# Altium PCB TIDA-010933-RevA.PcbDoc (part 7 of 9)
Units mm, origin at the board's own origin, x right, y up, seen from the top; angles counter-clockwise.
Board outline 230 x 230 mm, 4 copper layers (Top Layer, Layer 1, Layer 2, Bottom Layer), stack 1.637 mm thick; 776 components, 394 nets, 2295 pads, 2783 vias.
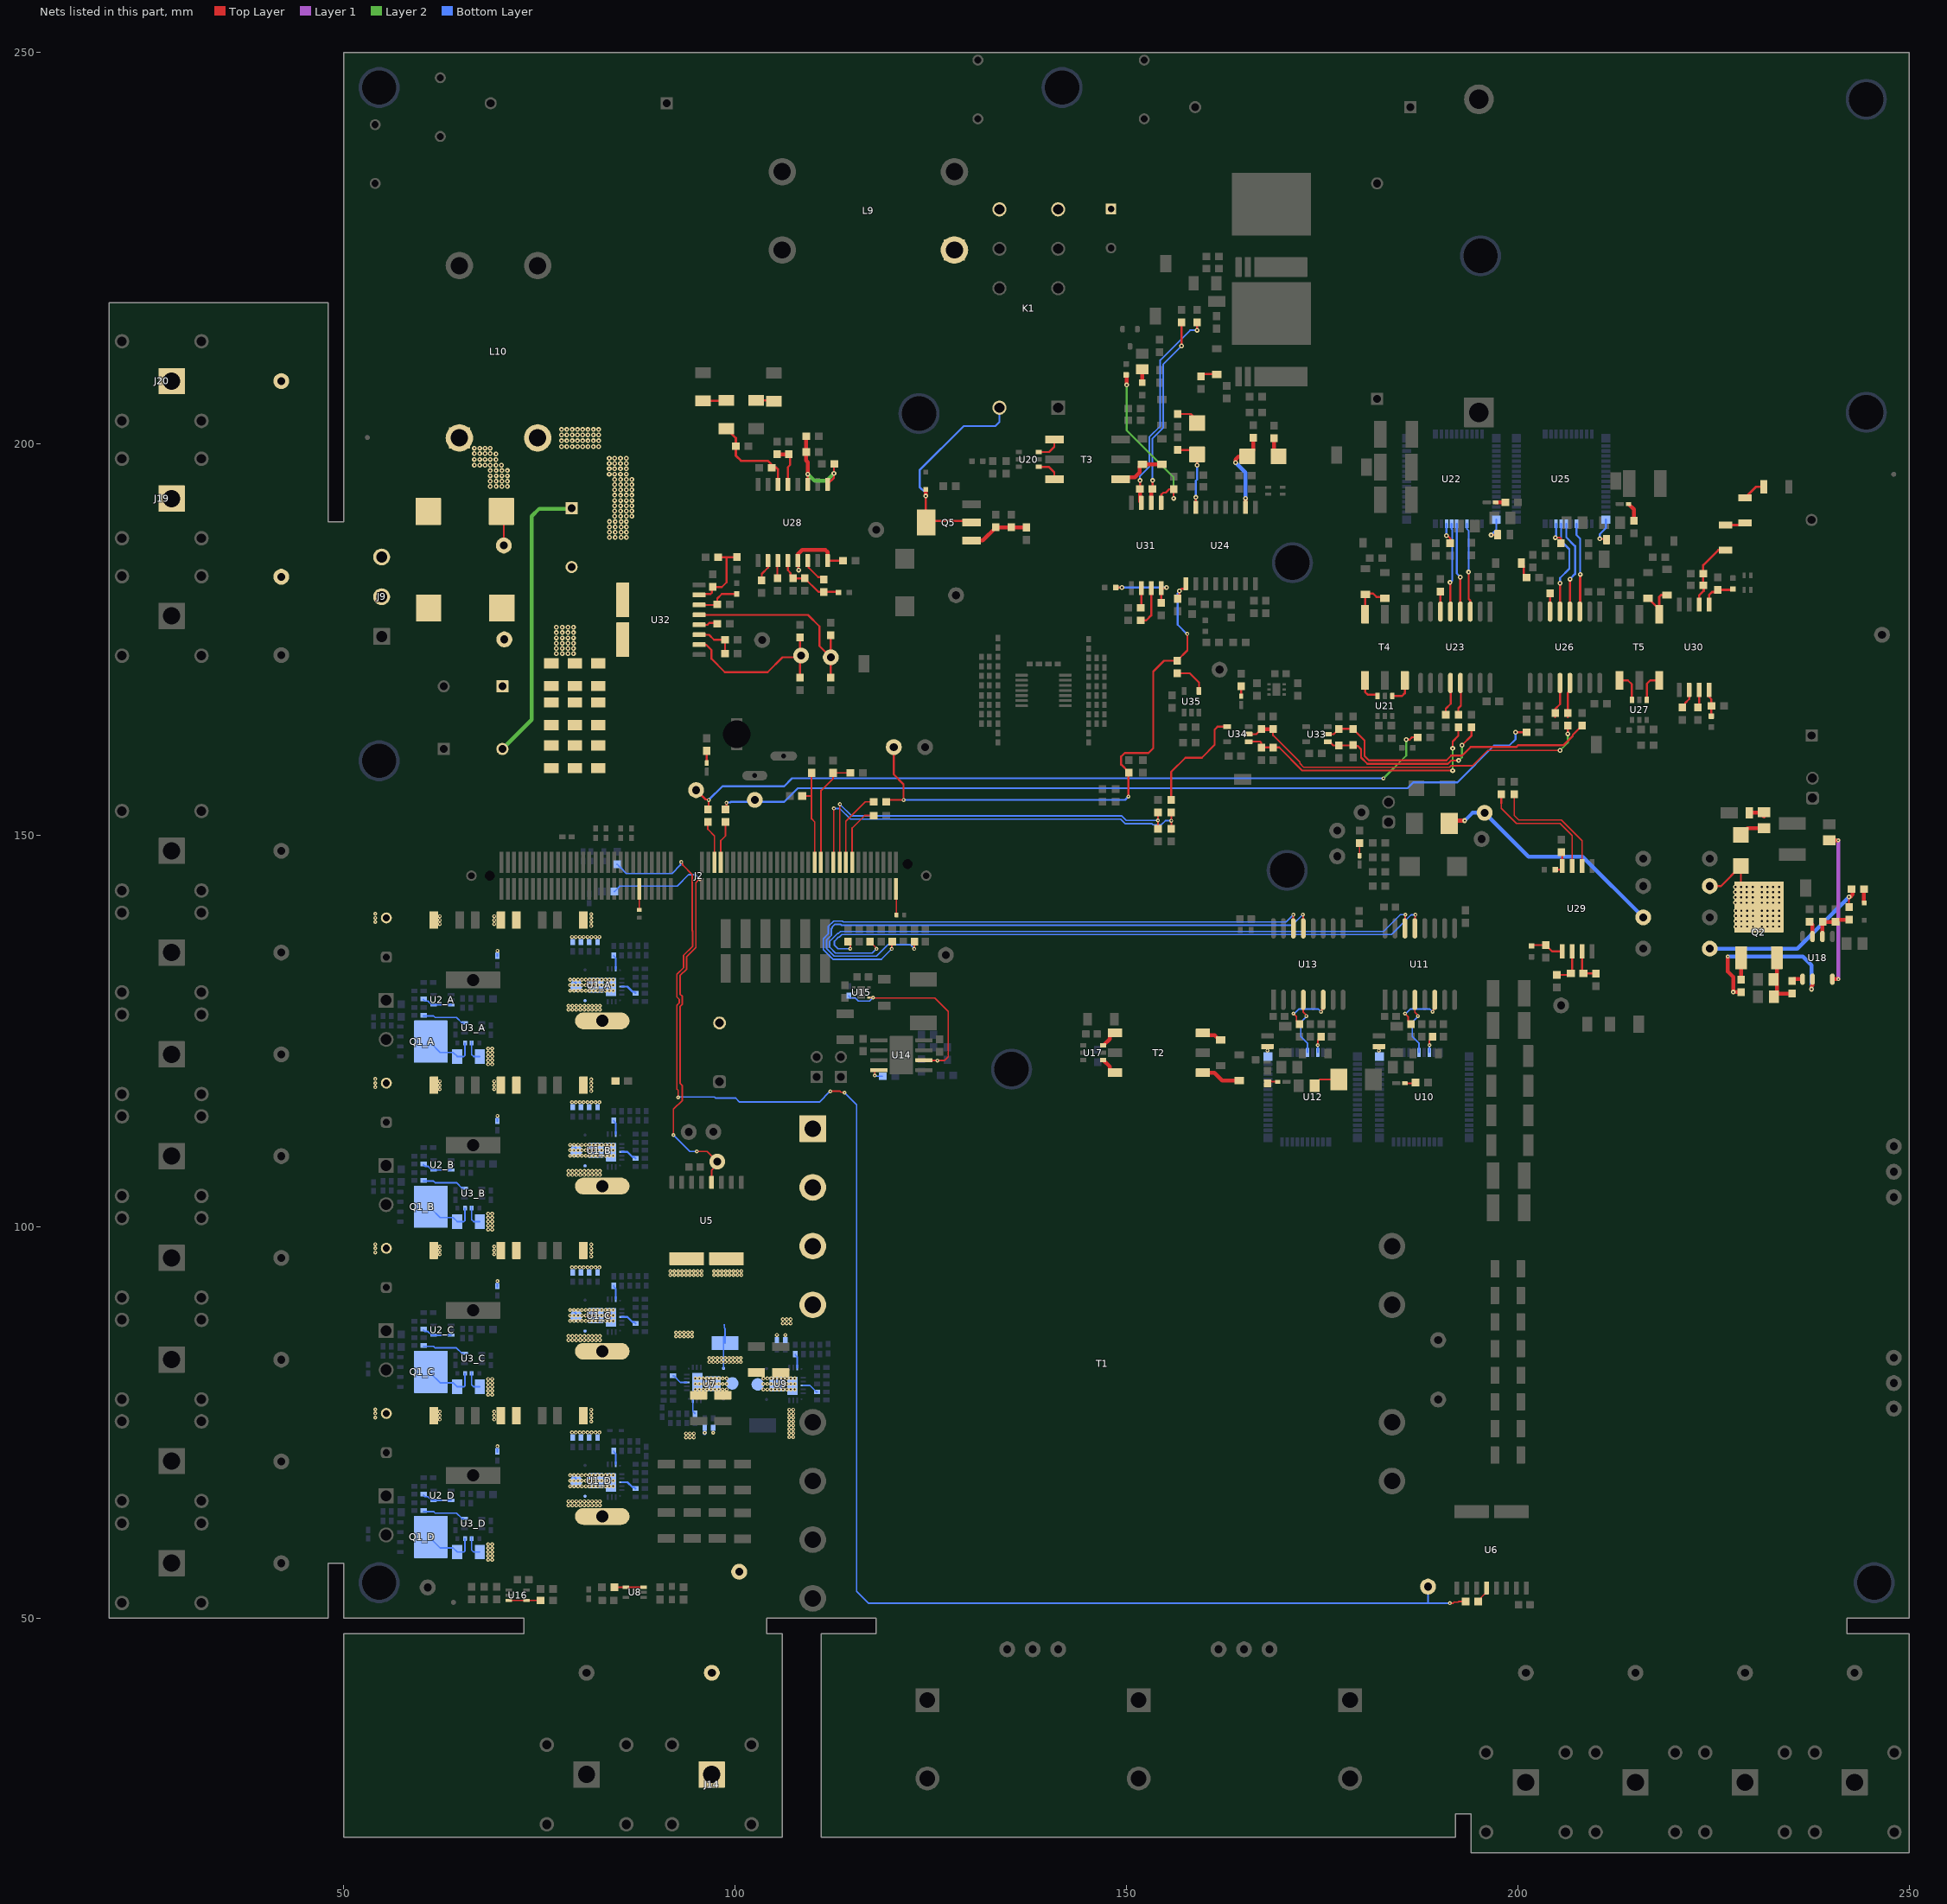
[diagram p9: the nets of this part, all layers, seen from the top]

## Via types
v1: diameter 0.5, hole 0.2, Top Layer to Bottom Layer, tented both sides, 1458 vias
v2: diameter 0.61, hole 0.254, Top Layer to Bottom Layer, tented both sides, 1311 vias
v3: diameter 0.63, hole 0.33, Top Layer to Bottom Layer, 6 vias
v4: diameter 0.5, hole 0.2, Top Layer to Bottom Layer, 4 vias
v5: diameter 0.61, hole 0.203, Top Layer to Bottom Layer, tented both sides, 4 vias

## Nets (pads, with @x,y where several pads share a name; then routed paths per layer and width w, separated by ;. In a path a pad name is that pad's centre, name@x,y a point inside that pad or via, vN(x,y) a via of type N, cw(c..) or ccw(c..) an arc to the next point about the centre after c; other vN are vias at no path point) (continued)
NetC182_1: C182.1 R130.1 R138.2 U30.2 | length 9.4
  Top Layer w0.305: U30.2@223.135,179.45 223.135,180.626 223.713,181.204 223.713,181.833 C182.1@223.65,181.897 R138.2@223.65,183.397 223.65,184.469 225.58,186.4 R130.1@227,186.4
NetC183_1: C183.1 R142.2 U31.2 | length 24.7
  Top Layer w0.254: C183.1@153.3,194.24 v2(153.3,195.303) ; v2(157,212.5) R142.2@157,215.5
  Top Layer w0.5: U31.2@153.135,192.45 153.135,194.075 C183.1@153.3,194.24
  Bottom Layer w0.2: v2(153.3,195.303) 153.3,200.681 154.683,202.064 154.683,210.183 v2(157,212.5)
NetC183_2: C183.2 R141.2 U31.3 | length 26.7
  Top Layer w0.254: C183.2@151.7,194.24 v2(151.7,195.303) ; v2(159,214.5) R141.2@159,215.5
  Top Layer w0.5: C183.2@151.7,194.24 151.7,192.615 U31.3@151.865,192.45
  Bottom Layer w0.2: v2(151.7,195.303) 151.7,195.857 152.896,197.053 152.896,200.848 154.279,202.232 154.279,210.351 154.29,210.361 154.29,210.693 158.097,214.5 v2(159,214.5)
NetC184_2: C184.2 R137.1 R139.1 U28.6 | length 12.2
  Top Layer w0.3: R137.1@98.875,201.92 100.075,200.72 R139.1@100.075,199.684 100.075,198.473 100.732,197.816 104.137,197.816 104.58,197.373 104.58,197.015 C184.2@104.654,196.941 105.231,196.941 105.449,196.722 U28.6@105.449,194.816
NetC185_2: C185.2 C186.2 U28.5 | length 5.5
  Top Layer w0.254: U28.5@106.719,194.816 106.719,196.996 106.999,197.275 106.999,198.497 C186.2@106.854,198.641
  Top Layer w0.5: C185.2@105.354,198.641 C186.2@106.854,198.641
NetC187_2: C187.2 C188.2 C189.2 U28.1 U28.3 | length 13.3
  Top Layer w0.254: U28.3@109.259,194.816 v2(109.259,196.121) ; U28.1@111.799,194.816 112.604,195.621 v2(112.604,196.191) 112.604,197.391 C189.2@112.654,197.441
  Top Layer w0.5: C187.2@109.054,200.941 109.054,197.858 109.259,197.653 v2(109.259,196.121)
  Layer 2 w0.5: v2(109.259,196.121) 110.128,195.252 111.666,195.252 v2(112.604,196.191)
NetC190_1: C190.1 R144.2 U29.3 | length 4.2
  Top Layer w0.254: U29.3@208.185,134.9 208.185,132.515 C190.1@208.35,132.35 209.944,132.35 R144.2@209.971,132.324
NetC190_2: C190.2 R143.2 U29.2 | length 4.5
  Top Layer w0.254: R143.2@204.961,132.15 206.55,132.15 C190.2@206.75,132.35 206.915,132.515 U29.2@206.915,134.9
NetC191_2: C191.2 FB6.2 U31.1 | length 22.2
  Top Layer w0.254: U31.1@154.405,192.45 154.405,193.48 154.683,193.758 155.007,193.758 155.449,194.2 C191.2@156,194.2 v2(156,193.03)
  Top Layer w0.5: v2(150,207.5) FB6.2@150,208.7
  Layer 2 w0.254: v2(150,207.5) 150,201.7 156,195.7 v2(156,193.03)
NetC192_2: C192.2 FB9.1 U32.8 | length 5.8
  Top Layer w0.254: U32.8@95.375,179.405 97.605,179.405 C192.2@97.7,179.5 97.7,180.22 98.28,180.8 FB9.1@100.193,180.8
NetC193_1: C193.1 FB7.2 U30.1 | length 4.5
  Top Layer w0.305: U30.1@224.405,179.45 224.405,180.67 224.78,181.045 225.208,181.045 C193.1@225.5,181.336 FB7.2@227.45,181.336
NetC194_2: C194.2 R148.2 U32.5 | length 5.4
  Top Layer w0.254: U32.5@95.375,175.595 96.641,175.595 97.276,174.96 C194.2@98.7,174.96 R148.2@98.7,173.185
NetC195_1: C195.1 FB8.2 U29.1 | length 4.2
  Top Layer w0.254: FB8.2@201.822,135.95 C195.1@203.55,135.95 204.35,135.15 U29.1@205.645,135.15
NetC196_1: C196.1 R145.1 R147.1 U32.9 | length 10.3
  Top Layer w0.254: U32.9@95.375,180.675 95.5,180.8 96.851,180.8 97,180.949 97,181.7 98.274,181.7 98.875,182.301 98.875,185.5 ; R147.1@97.8,185.5 98.875,185.5 ; R145.1@100.193,185.259 99.952,185.5 98.875,185.5
NetC197_1: C197.1 FB10.2 U29.8 | length 3
  Top Layer w0.254: FB10.2@204.75,145.6 205.472,145.6 205.645,145.773 U29.8@205.645,146.05 205.645,147.705 C197.1@205.55,147.8
NetC198_1: C198.1 FB11.2 U30.8 | length 3.5
  Top Layer w0.254: U30.8@224.405,168.55 224.405,167.66 224.7,167.365 C198.1@224.7,166.5 FB11.2@224.7,165.2
NetC199_1: C199.1 FB12.2 U31.8 | length 9.1
  Top Layer w0.254: FB12.2@148.606,181.625 FB12.2@148.8,181.625 ; FB12.2@148.8,181.6 148.825,181.625 v2(149.386,181.625) ; C199.1@154.405,179.664 U31.8@154.405,181.55 154.785,181.55 154.793,181.557 155.034,181.557 v2(155.102,181.625)
  Bottom Layer w0.254: v2(149.386,181.625) v2(155.102,181.625)
NetC200_1: C200.1 Q5.1 R151.2 R157.2 | length 8
  Top Layer w0.254: R151.2@137.193,189.265 137.354,189.265 R151.2@137.467,189.379
  Top Layer w0.5: Q5.1@130.188,187.641 131.619,187.641 C200.1@133.244,189.265 ; C200.1@133.283,189.329 137.13,189.329 R151.2@137.193,189.265
NetC201_1: C201.1 U28.13 U28.16 | length 9.3
  Top Layer w0.254: U28.13@107.989,185.066 108.047,185.008 108.047,183.921 v2(108.104,183.864) ; U28.16@111.799,185.066 C201.1@113.779,185.066
  Top Layer w0.5: U28.13@107.989,185.066 107.989,185.884 108.547,186.441 111.507,186.441 111.799,186.148 U28.16@111.799,185.066
NetC202_1: C202.1 R152.1 TP41.1 U32.4 | length 21.1
  Top Layer w0.254: U32.4@95.375,174.325 96.28,174.325 96.95,173.655 96.95,172.539 98.67,170.819 104.141,170.819 106.047,172.725 108.195,172.725 TP41.1@108.281,172.811 ; R152.1@108.281,170.117 TP41.1@108.281,172.811 ; C202.1@108.281,175.267 108.281,173.061 TP41.1@108.406,172.936 TP41.1@108.281,172.811
NetC203_1: C203.1 R153.2 TP42.1 U32.7 | length 26.4
  Top Layer w0.254: U32.7@95.375,178.135 109.3,178.135 110.768,176.667 110.768,174.148 TP42.1@112.203,172.713 ; R153.2@112.203,169.894 TP42.1@112.203,172.713 ; C203.1@112.203,175.794 TP42.1@112.203,172.713
NetC204_1: C204.1 C205.1 FB13.2 R149.2 U28.12 | length 9.1
  Top Layer w0.254: U28.12@106.719,185.066 106.719,183.831 107.062,183.488 107.062,183.118 C205.1@107.379,182.8 C204.1@108.879,182.8 110.609,181.07 R149.2@111.3,181.07 113.116,181.07 FB13.2@113.179,181.007
NetC209_1: C209.1 R173.2 R177.2 U33.2 | length 37.5
  Top Layer w0.254: U33.2@175.676,162.892 176.449,162.892 C209.1@177.124,163.567 R177.2@178.92,163.567 178.92,163.542 179.268,163.194 179.293,163.194 180.402,162.085 180.402,160.095 180.938,159.558 190.859,159.558 191.46,160.159 192.853,160.159 192.997,160.303 ; 193,160.3 193.952,161.252 199.762,161.252 200.01,161.5 205.826,161.5 207.009,162.683 207.009,162.815 208.169,163.975 R173.2@208.169,164
NetC210_1: C210.1 R168.2 R176.2 U33.1 | length 23.7
  Top Layer w0.254: U33.1@175.676,161.942 175.911,161.942 176.389,161.463 C210.1@177.124,161.463 178.952,161.463 179.048,161.368 179.55,161.368 179.948,160.971 179.948,159.907 180.75,159.104 191.047,159.104 191.47,159.527 v2(192.42,159.527) ; v2(192.843,161.496) 194.07,162.723 R168.2@194.07,163.792
  Layer 2 w0.25: v2(192.42,159.527) 192.843,159.95 v2(192.843,161.496)
NetC211_1: C211.1 R172.2 R179.2 U34.2 | length 47.1
  Top Layer w0.2: R179.2@168.705,163.542 168.705,162.742 172.134,159.313 172.134,159.147 172.604,158.677 191.224,158.677 191.402,158.855 194.155,158.855 196.125,160.825 205.275,160.825 v2@205.3,160.8
  Top Layer w0.254: U34.2@165.58,162.899 166.563,162.899 C211.1@167.205,163.542 ; v2@205.325,160.775 v2(205.374,160.825) ; v2(206.377,162.945) R172.2@206.377,163.975
  Top Layer w0.5: C211.1@167.205,163.542 R179.2@168.705,163.542
  Layer 2 w0.25: v2(205.374,160.825) 206.377,161.828 v2(206.377,162.945)
NetC212_1: C212.1 R169.2 R178.2 U34.1 | length 33.8
  Top Layer w0.254: U34.1@165.58,161.949 167.057,161.949 167.205,161.8 R178.2@167.205,161.199 C212.1@168.705,161.199 169.478,161.199 172.428,158.25 v2(191.652,158.25) ; v2(191.652,161.078) 191.652,161.97 192.377,162.695 R169.2@192.377,163.792
  Layer 2 w0.25: v2(191.652,158.25) v2(191.652,161.078)
NetD2_2: D2.2 R56.2 | length 3.5
  Top Layer w0.2: R56.2@174.016,118 174.016,118.165 174.651,118.8 D2.2@177.09,118.8
NetD5_2: D5.2 T2.6 | length 2.7
  Top Layer w0.5: T2.6@159.74,124.74 160.035,124.445 161.24,124.445 161.896,123.789 161.951,123.789 D5.2@162,123.837
NetD6_2: D6.2 T2.4 | length 5.1
  Top Layer w0.5: T2.4@159.74,119.66 161.199,119.66 162.196,118.663 D6.2@164.4,118.663 D6.2@164.399,118.661
NetD7_2: D7.2 R75.2 | length 2.2
  Top Layer w0.5: D7.2@229.55,152.856 229.58,152.886 231.136,152.886 231.37,152.886 R75.2@231.4,152.916 ; R75.2@231.136,152.652 R75.2@231.4,152.389
NetD8_2: D8.2 TP17.1 TP20.1 | length 30.6
  Top Layer w0.5: D8.2@191.386,151.676 191.563,151.853 v2(193.193,151.853)
  Bottom Layer w0.5: v2(193.193,151.853) 194.191,152.851 195.72,152.851 TP17.1@195.725,152.856 201.331,147.25 208.25,147.25 TP20.1@216,139.5
NetD10_1: D10.1 Q2.4 TP16.1 | length 11.2
  Top Layer w0.254: TP16.1@224.5,143.5 225.925,143.5 D10.1@228.475,146.05 228.475,143.125 Q2.4@230.775,140.825
  other v2: 227.837,138.322 228.534,138.322 229.271,138.322 230.019,138.322 231.163,138.332 231.861,138.332 232.598,138.332 233.345,138.332 227.837,138.996 228.534,138.996 229.271,138.996 230.019,138.996 231.163,139.007 231.861,139.007 232.598,139.007 233.345,139.007 227.837,139.671 228.534,139.671 229.271,139.671 230.019,139.671 231.163,139.681 231.861,139.681 232.598,139.681 233.345,139.681 227.837,140.345 228.534,140.345 229.271,140.345 230.019,140.345 231.163,140.355 231.861,140.355 232.598,140.355 233.345,140.355 227.797,141.368 228.495,141.368 229.232,141.368 229.98,141.368 231.163,141.368 231.861,141.368 232.598,141.368 233.345,141.368 227.797,142.043 228.495,142.043 229.232,142.043 229.98,142.043 231.163,142.043 231.861,142.043 232.598,142.043 233.345,142.043 227.797,142.717 228.495,142.717 229.232,142.717 229.98,142.717 231.163,142.717 231.861,142.717 232.598,142.717 233.345,142.717 227.797,143.391 228.495,143.391 229.232,143.391 229.98,143.391 231.163,143.391 231.861,143.391 232.598,143.391 233.345,143.391
NetD10_2: D10.2 R75.1 | length 3.3
  Top Layer w0.5: D10.2@228.475,150.05 229.309,150.884 R75.1@231.4,150.884
NetD11_2: D11.2 R79.1 | length 1.6
  Top Layer w0.254: D11.2@244.182,141.378 D11.2@244.246,141.315
  Top Layer w0.5: D11.2@244.182,141.378 R79.1@244.182,142.847
NetD12_2: D12.2 R88.1 | length 1.5
  Top Layer w0.2: R88.1@179.7,148.8 179.767,148.733 D12.2@179.767,147.373
NetD13_2: D13.2 R89.1 | length 1.1
  Top Layer w0.254: D13.2@164.647,167.758 R89.1@164.647,168.813
NetD14_2: D14.2 R90.1 | length 1.6
  Top Layer w0.254: D14.2@96.36,159.212 R90.1@96.36,160.767
NetD15_2: D15.2 D19.1 T3.1 | length 6.5
  Top Layer w0.5: T3.1@149.238,195.46 149.498,195.72 151.046,195.72 151.64,196.314 151.64,197.155 151.848,197.362 D15.2@154.5,197.362
NetD16_2: D16.2 R92.2 | length 1.9
  Top Layer w0.254: R92.2@152,209.484 R92.2@152,209.7
  Top Layer w0.5: D16.2@152,207.8 R92.2@152,209.484
NetD17_2: D17.2 D22.1 T4.3 | length 5.4
  Top Layer w0.254: T4.3@180.46,178.237 180.46,180.822 180.5,180.862 181.494,180.862 181.921,180.436 182.824,180.436 D17.2@183,180.259
NetD23_1: D23.1 R93.2 U24.15 | length 9.8
  Top Layer w0.254: R93.2@156.5,199.2 158.8,199.2 D23.1@159,199 ; U24.15@158.825,191.875 v2(158.825,193.152) ; v2(159,197.27) D23.1@159,198.637
  Bottom Layer w0.254: v2(158.825,193.152) 158.825,195.271 159,195.446 159,197.633
NetD23_2: D23.2 R94.2 | length 2.8
  Top Layer w0.254: R94.2@156.5,203.8 158.2,203.8 D23.2@159,203
NetD24_2: D24.2 R101.2 | length 1.1
  Top Layer w0.5: D24.2@197.129,192.504 R101.2@198.184,192.504
NetD25_2: D25.2 R106.2 | length 2
  Top Layer w0.254: R106.2@159.5,208.9 161.463,208.9 D25.2@161.5,208.862
NetD26_2: D26.2 R108.2 | length 2.2
  Top Layer w0.3: D26.2@200.429,184.588 D26.2@200.429,184.741 200.506,184.664 200.737,184.433 200.737,183.335 201.072,183 R108.2@201.097,183
NetD27_1: D27.1 R109.2 U24.10 | length 11
  Top Layer w0.5: v2(163.905,197.58) 163.905,197.972 164.313,198.38 D27.1@165.41,198.38 166.16,199.13 R109.2@166.16,200.746 ; U24.10@165.175,191.875 v2(165.175,193.03)
  Bottom Layer w0.5: v2(163.905,197.58) 165.175,196.31 v2(165.175,193.03)
NetD27_2: D27.2 R110.2 | length 2.6
  Top Layer w0.5: R110.2@168.812,200.7 168.812,198.978 D27.2@169.41,198.38
NetD28_2: D28.2 R116.2 | length 2.4
  Top Layer w0.5: D28.2@214.124,192.305 214.807,191.622 R116.2@214.807,190.165
NetD29_2: D29.2 D31.1 T5.1 | length 5.3
  Top Layer w0.305: D29.2@216.625,180.26 T5.1@218.04,178.845 ; T5.1@218.04,178.237 T5.1@218.04,178.845 ; D31.1@219.025,180.67 218.275,180.67 218.04,180.436 T5.1@218.04,178.845
NetD32_2: D32.2 K1.A2 Q5.2 Q5.4 | length 28.5
  Top Layer w0.254: v2(124.323,193.31) 124.323,190.006 Q5.4@124.388,189.941 ; Q5.4@124.388,190.129 Q5.2@130.183,190.129
  Top Layer w0.5: v2(124.323,193.31) D32.2@124.323,194.152
  Bottom Layer w0.254: v2@124.323,193.084 v2(124.323,193.31) 124.323,193.705 123.548,194.48 123.548,196.615 129.183,202.25 133.22,202.25 133.75,202.78 K1.A2@133.75,204.6
NetD33_2: D33.2 R183.2 | length 1.3
  Top Layer w0.2: D33.2@185.545,118.3 186.7,118.3 R183.2@186.8,118.4
NetD34_2: D34.2 R184.2 | length 1.3
  Top Layer w0.2: R184.2@168,118.4 168.1,118.5 D34.2@169.3,118.5
NetF1_1: F1.1 R118.1 R122.2 R123.2 R124.2 TP35.1 U32.2
  other v2: 77.14,173.174 77.888,173.174 78.625,173.174 79.323,173.174 77.14,173.848 77.888,173.848 78.625,173.848 79.323,173.848 77.14,174.523 77.888,174.523 78.625,174.523 79.323,174.523 77.14,175.197 77.888,175.197 78.625,175.197 79.323,175.197 77.14,175.871 77.888,175.871 78.625,175.871 79.323,175.871 77.14,176.545 77.888,176.545 78.625,176.545 79.323,176.545
NetF1_2: F1.2 J9.2 J19.1 TP60.1
NetF2_1: F2.1 L10.1 pad.10 R119.2 R126.1 R131.1 R132.1 R133.1 TP38.1 | length 41.3
  Top Layer w0.254: F2.1@70.125,191.35 70.428,191.047 TP38.1@70.428,187
  Layer 2 w0.5: R119.2@70.25,161 74,164.75 74,190.735 74.965,191.7 79.035,191.7 R126.1@79.085,191.75
  other v2: 68.697,194.551 69.444,194.551 70.181,194.551 70.879,194.551 68.697,195.225 69.444,195.225 70.181,195.225 70.879,195.225 68.697,195.899 69.444,195.899 70.181,195.899 70.879,195.899 68.697,196.573 69.444,196.573 70.181,196.573 70.879,196.573 66.674,197.247 67.348,197.247 68.023,197.247 68.697,197.247 69.434,197.247 70.132,197.247 66.674,197.995 67.348,197.995 68.023,197.995 68.697,197.995 69.434,197.984 69.434,198.682 66.674,198.732 67.348,198.732 68.023,198.732 68.697,198.732 66.674,199.43 67.348,199.43 68.023,199.43 68.697,199.43
NetF2_2: F2.2 J9.3 J20.1 TP59.1
NetJ2_45: J2.45 R185.2 | length 2.7
  Top Layer w0.2: R185.2@87.743,140.435 J2.45@87.743,143.122
NetJ2_119: J2.119 R65.2 | length 3.3
  Top Layer w0.2: J2.119@120.543,143.122 120.571,143.093 120.571,139.829 R65.2@120.6,139.8
NetK1_7: K1.7 K1.14 L9.1 pad.7 R146.1
NetL1_A_2: L1_A.2 U1_A.5
  other v1: 78.7,127.7 79.2,127.7 79.7,127.7 80.2,127.7 80.7,127.7 81.2,127.7 81.7,127.7 82.2,127.7 82.7,127.7 78.7,128.2 79.2,128.2 79.7,128.2 80.2,128.2 80.7,128.2 81.2,128.2 81.7,128.2 82.2,128.2 82.7,128.2
NetL1_B_2: L1_B.2 U1_B.5
  other v1: 78.7,106.6 79.2,106.6 79.7,106.6 80.2,106.6 80.7,106.6 81.2,106.6 81.7,106.6 82.2,106.6 82.7,106.6 78.7,107.1 79.2,107.1 79.7,107.1 80.2,107.1 80.7,107.1 81.2,107.1 81.7,107.1 82.2,107.1 82.7,107.1
NetL1_C_2: L1_C.2 U1_C.5
  other v1: 78.7,85.5 79.2,85.5 79.7,85.5 80.2,85.5 80.7,85.5 81.2,85.5 81.7,85.5 82.2,85.5 82.7,85.5 78.7,86 79.2,86 79.7,86 80.2,86 80.7,86 81.2,86 81.7,86 82.2,86 82.7,86
NetL1_D_2: L1_D.2 U1_D.5
  other v1: 78.7,64.4 79.2,64.4 79.7,64.4 80.2,64.4 80.7,64.4 81.2,64.4 81.7,64.4 82.2,64.4 82.7,64.4 78.7,64.9 79.2,64.9 79.7,64.9 80.2,64.9 80.7,64.9 81.2,64.9 81.7,64.9 82.2,64.9 82.7,64.9
NetL2_2: L2.2 U10.42 | length 0.6
  Top Layer w0.2: v1@182.226,122.425 L2.2@182.226,123
  other v1: 182.226,122.475
NetL3_2: L3.2 U12.42 | length 0.6
  Top Layer w0.2: v1@167.976,122.425 L3.2@167.976,123
  other v1: 167.976,122.475
NetL5_2: L5.2 U22.42 | length 3.1
  Top Layer w0.254: v2(196.565,188.341) L5.2@197.401,188.341
  Bottom Layer w0.254: v2(196.565,188.341) 197.234,189.01 197.234,190.291 U22.42@197.225,190.3
NetL6_2: L6.2 U25.42 | length 3.6
  Top Layer w0.254: v2(210.445,187.852) 211.077,187.852 L6.2@211.225,188
  Bottom Layer w0.254: v2(210.445,187.852) 210.445,188.458 211.225,189.238 U25.42@211.225,190.3
NetL10_4: L10.4 pad.11 R126.2 U32.1
  other v2: 83.918,188.03 84.665,188.03 85.402,188.03 86.1,188.03 83.918,188.704 84.665,188.704 85.402,188.704 86.1,188.704 83.918,189.379 84.665,189.379 85.402,189.379 86.1,189.379 83.918,190.053 84.665,190.053 85.402,190.053 86.1,190.053 84.597,190.727 85.345,190.727 86.082,190.727 86.78,190.727 84.597,191.401 85.345,191.401 86.082,191.401 86.78,191.401 84.597,192.075 85.345,192.075 86.082,192.075 86.78,192.075 84.597,192.75 85.345,192.75 86.082,192.75 86.78,192.75 84.597,193.424 85.345,193.424 86.082,193.424 86.78,193.424 84.597,194.098 85.345,194.098 86.082,194.098 86.78,194.098 84.597,194.772 85.345,194.772 86.082,194.772 86.78,194.772 84.597,195.446 85.345,195.446 86.082,195.446 86.78,195.446 83.9,196.121 84.597,196.121 85.334,196.121 86.082,196.121 83.9,196.795 84.597,196.795 85.334,196.795 86.082,196.795 83.9,197.469 84.597,197.469 85.334,197.469 86.082,197.469 83.9,198.143 84.597,198.143 85.334,198.143 86.082,198.143 77.815,199.637 78.489,199.637 79.163,199.637 79.837,199.637 80.511,199.637 81.186,199.637 81.86,199.637 82.534,199.637 77.815,200.384 78.489,200.384 79.163,200.384 79.837,200.384 80.511,200.384 81.186,200.384 81.86,200.384 82.534,200.384 77.815,201.121 78.489,201.121 79.163,201.121 79.837,201.121 80.511,201.121 81.186,201.121 81.86,201.121 82.534,201.121 77.815,201.819 78.489,201.819 79.163,201.819 79.837,201.819 80.511,201.819 81.186,201.819 81.86,201.819 82.534,201.819
NetQ1_A_5: Q1_A.5 Q1_A.6 Q1_A.7 Q1_A.8 Q1_A.9@61.1,123.635 R4_A.1 R18_A.1 | length 6.7
  Bottom Layer w0.2: Q1_A.9@61.1,123.435 62.29,122.245 63.955,122.245 R4_A.1@64.475,121.725 65.325,121.725 65.475,121.875 R18_A.1@65.475,123.45
NetQ1_B_5: Q1_B.5 Q1_B.6 Q1_B.7 Q1_B.8 Q1_B.9@61.1,102.535 R4_B.1 R18_B.1 | length 6.7
  Bottom Layer w0.2: Q1_B.9@61.1,102.335 62.29,101.145 63.955,101.145 R4_B.1@64.475,100.625 65.325,100.625 65.475,100.775 R18_B.1@65.475,102.35
NetQ1_C_5: Q1_C.5 Q1_C.6 Q1_C.7 Q1_C.8 Q1_C.9@61.1,81.435 R4_C.1 R18_C.1 | length 6.7
  Bottom Layer w0.2: Q1_C.9@61.1,81.235 62.29,80.045 63.955,80.045 R4_C.1@64.475,79.525 65.325,79.525 65.475,79.675 R18_C.1@65.475,81.25
NetQ1_D_5: Q1_D.5 Q1_D.6 Q1_D.7 Q1_D.8 Q1_D.9@61.1,60.335 R4_D.1 R18_D.1 | length 6.7
  Bottom Layer w0.2: Q1_D.9@61.1,60.135 62.29,58.945 63.955,58.945 R4_D.1@64.475,58.425 65.325,58.425 65.475,58.575 R18_D.1@65.475,60.15